# KiCad board acorn-motherboard.kicad_pcb (continued)
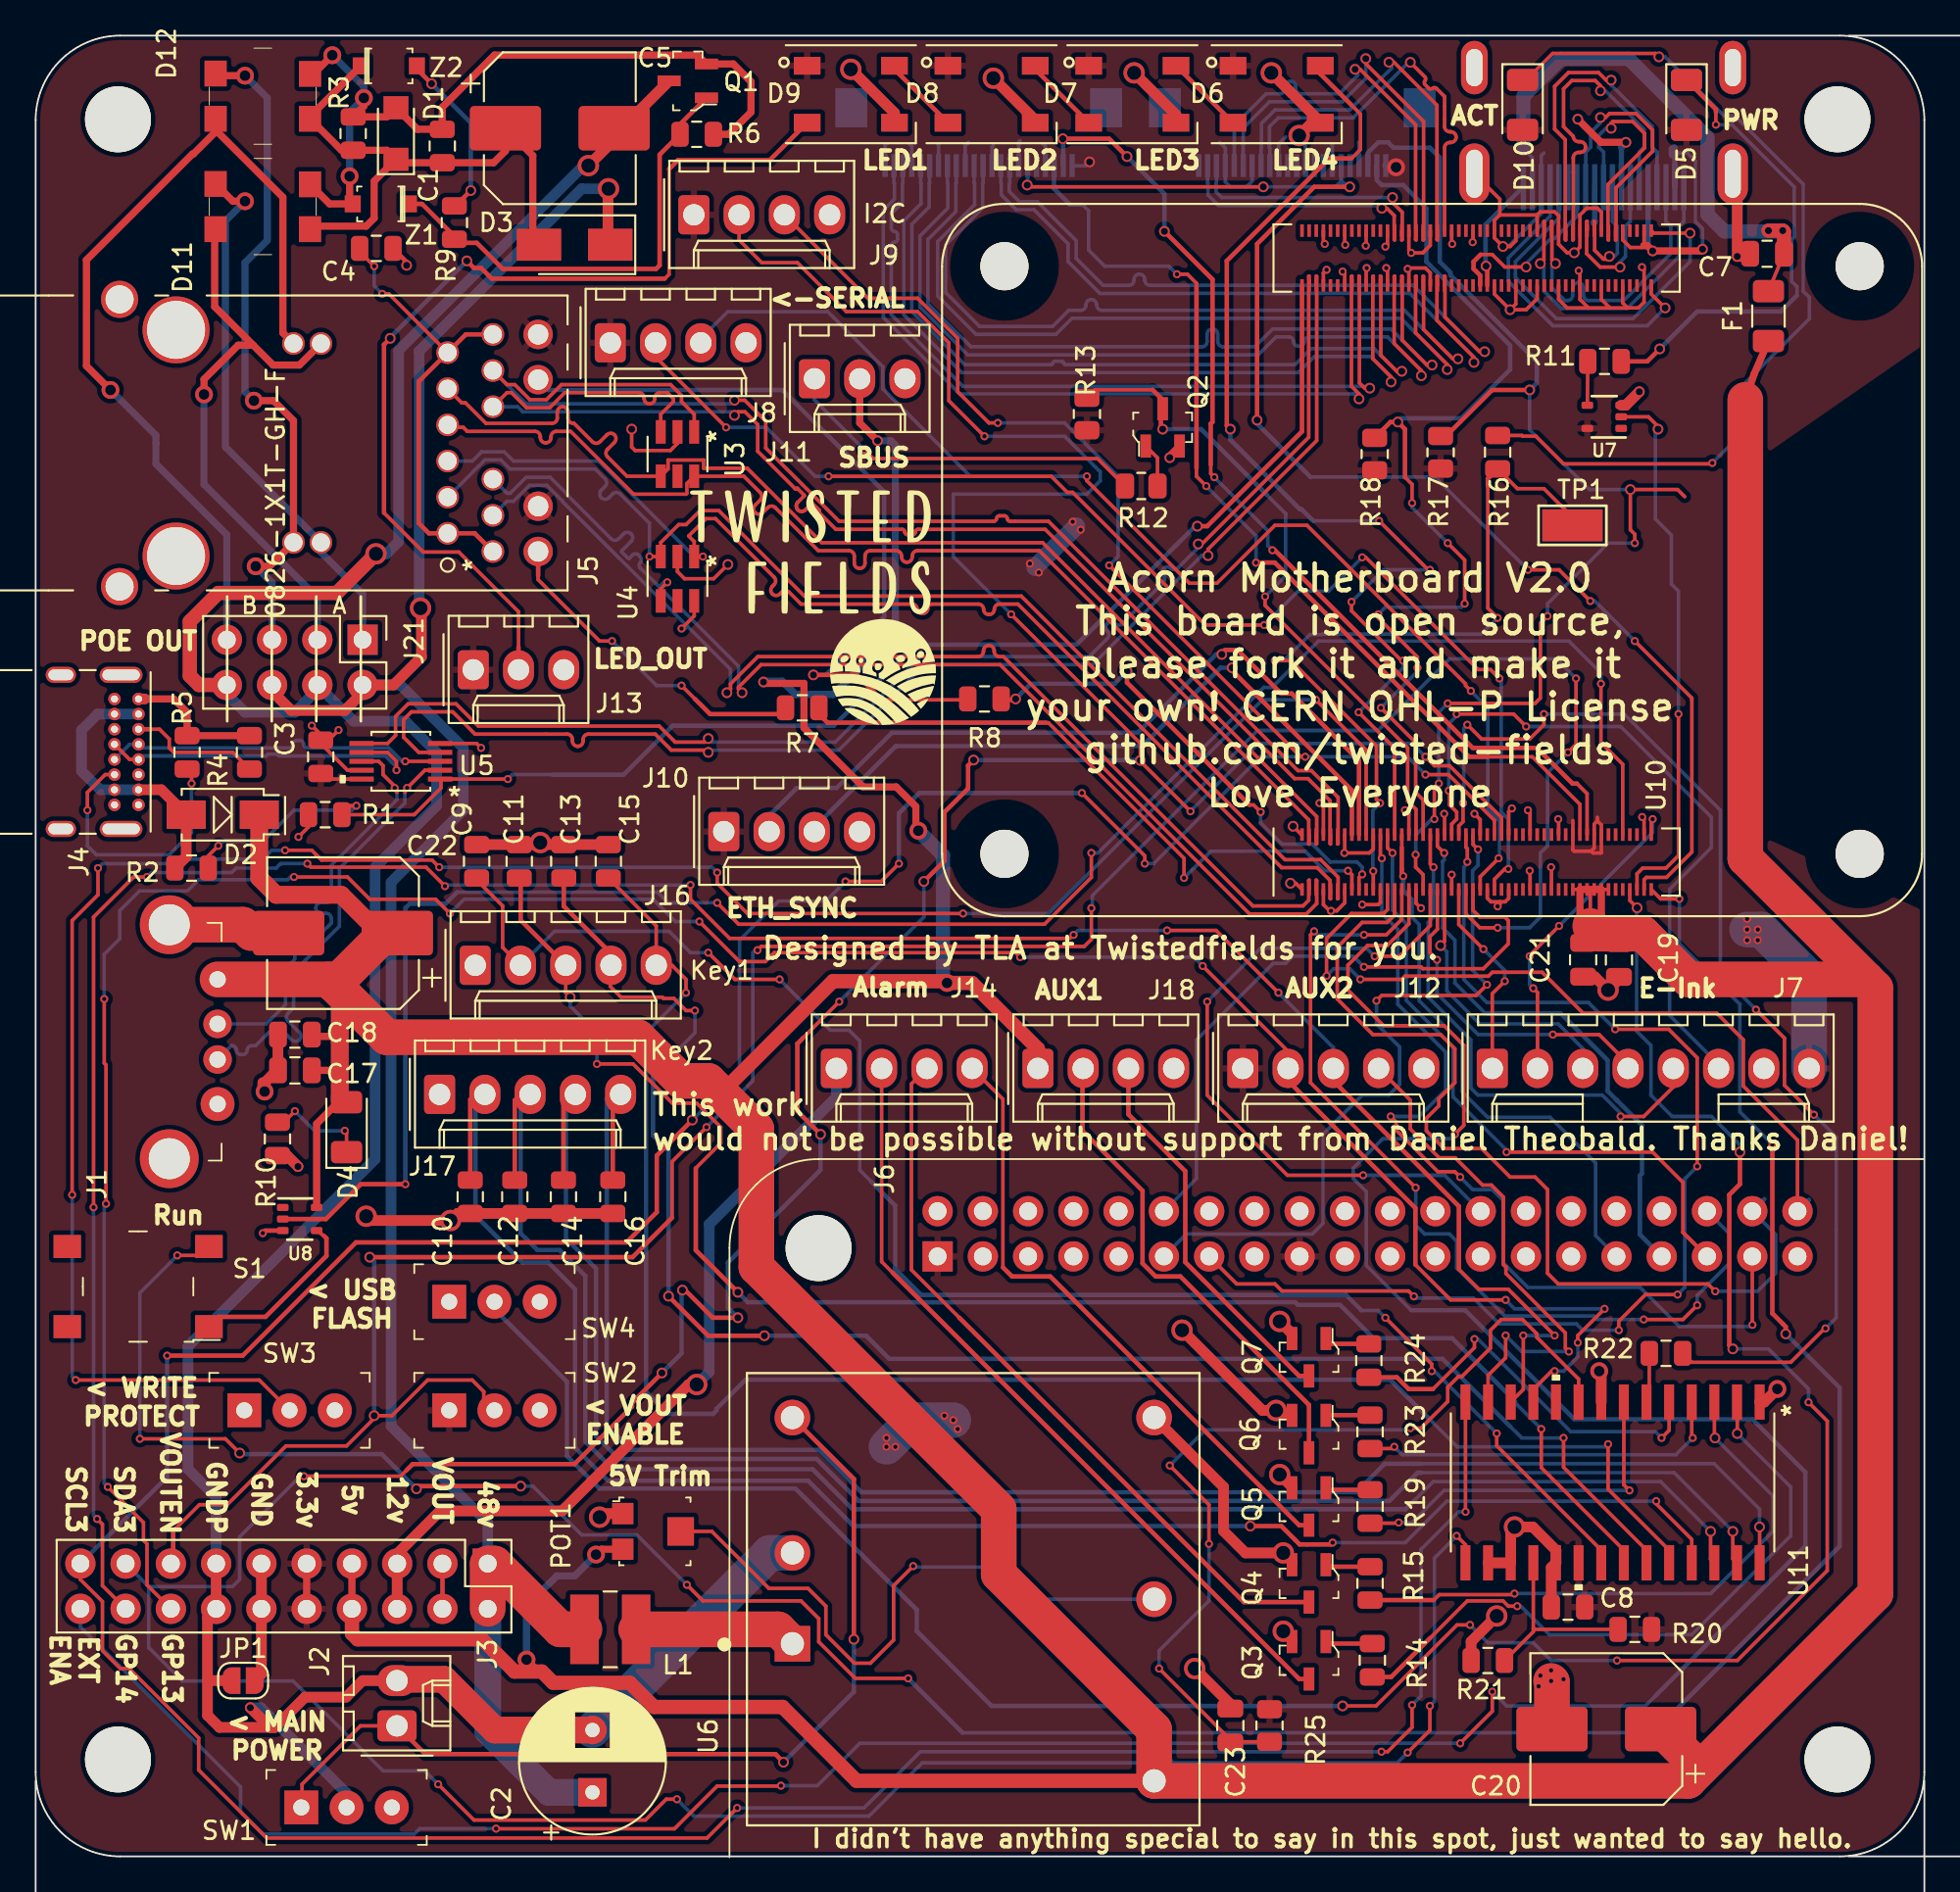
[diagram p0: board, top side]
## Routing (per net, layer and track width the routed paths; a pad name or vN(x,y) marks a point on that pad's centre or on a via; arc(x,y) is an arc through that point) (continued)
EPD_SCK: length 29.3
  Top w0.2: v2(78.45,55.55) 78.27,55.73 U10.38 ; v2(88.95,41.55) 90.25,41.55 91.91,43.21 J7.5
  Bottom w0.2: v2(88.95,41.55) 88.95,41.72 87.92,42.75 80.95,42.75 80.55,43.15 80.55,45.85 78.15,48.25 78.15,52.45 78.45,52.75 v2(78.45,55.55)
ESTOP_IN: length 30.7
  Top w0.2: U10.30 76.67,56.63
  Top w0.25: v2(76.75,55.05) 76.67,55.13 76.67,56.63
  Bottom w0.2: J6.31 87.55,34.86 87.55,38.95 85,41.5 81.5,41.5 80.05,42.95 80.05,45.65 77.65,48.05 77.65,52.33 77.25,52.73 77.25,53.75 76.95,54.05
  Bottom w0.25: v2(76.75,55.05) 76.75,54.25 76.95,54.05
ESTOP_RETURN: length 31.6
  Top w0.2: v2(79.05,56.35) 78.67,56.73 U10.40
  Bottom w0.2: 81.45,47.35 81.35,47.35 79.65,49.05 79.65,51.45 78.96,52.14 78.96,55.87 79.05,55.96 v2(79.05,56.35)
  Bottom w0.25: J6.33 90.04,34.92 90.04,38.24 90.15,38.35 90.15,41.06 88.76,42.45 88.75,42.45 88.23,42.97 88.23,44.7 85.58,47.35 81.45,47.35
ETH_LEDG: length 27.2
  Top w0.2: v2(68.75,58.65) 68.35,59.05 68.12,59.05 ; U10.17 74.27,54.97 v2(74.45,55.15)
  Top w0.25: 68.12,59.05 61.25,65.92 v1(61.25,66.55) ; 54.5,64.95 54.95,64.95 v1(55,65)
  Bottom w0.2: v2(68.75,58.65) 68.75,58.05 69.95,56.85 71.65,56.85 72.65,55.85 74.15,55.85 74.15,55.85 74.45,55.55 v2(74.45,55.15)
  Bottom w0.25: v1(55,65) 55.85,65.85 60.55,65.85 v1(61.25,66.55)
ETH_LEDY: length 36.4
  Top w0.2: v2(73.65,55.35) 73.87,55.13 U10.15 ; v2(64.45,54.95) 64.45,56.05 56.84,63.66 56.71,63.66
  Top w0.25: 43.96,64.15 44.44,63.66 56.71,63.66
  Bottom w0.2: v2(64.45,54.95) 65.95,56.45 71.25,56.45 72.35,55.35 v2(73.65,55.35)
ETH_SYNC_IN: length 39.5
  Top w0.25: U10.16 73.87,59.87 67.15,66.59 v1(67.15,66.75)
  Bottom w0.25: J10.3 43.7,57.78 48.27,62.35 62.1,62.35 66.5,66.75 v1(67.15,66.75)
ETH_SYNC_OUT: length 44.6
  Top w0.25: U10.18 74.27,61.53 70.5,65.3 69.9,65.3 67.45,67.75 66.75,67.75 66.57,67.57 v1(66.57,67.5)
  Bottom w0.25: J10.2 41.16,58.44 42.72,60 44.95,60 48.05,63.1 61.85,63.1 66.25,67.5 v1(66.57,67.5)
EXT_PSU_ENABLE: length 178
  Top w0.2: v2(25.84,1.56) 25.85,1.55 35.85,1.55 38.25,3.95 41.81,3.95 v2(41.83,3.97) ; U10.31 77.07,52.37 75.85,51.15 74.75,51.15 73.65,50.05 73.65,48.65 75.65,46.65 79.05,46.65 80.15,45.55 80.15,41.05 v2(79.65,40.55) ; v2(79.95,6.35) 81.75,8.15 v2(81.75,9.25)
  Bottom w0.2: v2(79.95,6.35) 46.25,6.35 43.87,3.97 v2(41.83,3.97) ; J3.20 2.51,12.89 11.5,3.9 11.5,2.5 12.75,1.25 21.25,1.25 21.56,1.56 v2(25.84,1.56) ; v2(79.65,40.55) 79.4,40.3 75.6,40.3 73.95,38.65 73.95,38.06 74.68,37.33 74.68,33.19 77.2,30.67 ; v2(81.75,9.25) 82.55,8.45 90.34,8.45 90.89,9
  Bottom w0.25: 77.2,30.67 80.23,30.67 86.35,24.55 96.34,24.55 99.32,21.57 99.32,17.43 90.89,9
GLOBAL_EN: length 162.5
  Top w0.2: v2(7.95,33.75) 9.22,33.75 S1.3 ; v2(92.25,53.77) 91.2,53.77 U10.99 ; v2(48.97,10) 46,10 43.95,12.05 43.95,13.35 42.95,14.35 37.45,14.35 v2(36.55,15.25) ; v1(11.45,22.65) 10.65,23.45 v2(5.85,23.45)
  Top w0.25: v1(27.22,20.79) 21.52,20.79 v1(21.37,20.64) ; v2(97.47,39.99) 97.47,30.49 98.22,29.74 v1(98.22,29.34)
  Bottom w0.2: v2(7.95,33.75) 5.85,31.65 v2(5.85,23.45) ; v2(92.25,53.77) 92.25,51.25 95.65,47.85 95.65,41.81 v2(97.47,39.99) ; v1(27.22,20.79) 27.91,20.79 30.65,18.05 33.75,18.05 v2(36.55,15.25) ; 90.77,6.94 52.02,6.94
  Bottom w0.25: 90.77,6.94 101.25,17.42 101.25,26.31 v1(98.22,29.34) ; 52.02,6.94 v2(48.97,10) ; v1(21.37,20.64) 19.42,22.59 11.47,22.59 11.47,22.63 v1(11.45,22.65)
GP0: length 89.5
  Top w0.2: v2(37.75,50.75) 39.25,49.25 v2(41.75,49.25) ; v2(75.75,30.25) 78.35,27.65 v2(78.35,27.25) ; U11.21 87.87,17.2 82,23.06 v2(82,23.75) ; J16.2 26.21,51.04 26.21,53.38 24.64,54.94
  Bottom w0.2: v2(37.75,50.75) 36.75,50.75 35.55,51.95 29.12,51.95 J16.2 ; v2(41.75,49.25) 44.6,46.4 45.65,46.4 46.25,45.8 46.25,38.54 46.9,37.89 ; v2(75.75,30.25) 75.34,30.66 74.41,30.66 ; v2(82,23.75) 78.5,27.25 v2(78.35,27.25)
  Bottom w0.25: 74.41,30.66 73.54,31.53 49.7,31.53 48.24,32.99 48.24,36.55 46.9,37.89
GP1: length 89.3
  Top w0.2: 37.05,38.65 38.45,40.05 38.45,40.95 37.1,42.3 35.73,42.3 33.53,44.5 v2(31.5,44.5) ; v1(30,48.25) 29.75,48.5 J16.3 ; U11.22 89.13,17.2 84.5,21.83 v2(84.5,24)
  Top w0.25: C11.2 27.22,54.86 27.22,52.57 J16.3 ; 37.05,38.65 37.05,34.04 v1(39.41,31.68)
  Bottom w0.2: v2(84.5,24) 83.05,25.45 83.05,25.55 82.95,25.65 ; v1(30,48.25) 30,47.75 31.5,46.25 v2(31.5,44.5)
  Bottom w0.25: 82.95,25.65 79.5,29.1 75.08,29.1 73.21,30.97 70.84,30.97 70.69,31.12 39.97,31.12 v1(39.41,31.68)
GP2: length 92.3
  Top w0.2: U11.23 90.41,17.2 85.75,21.85 v2(85.75,23.5) ; 32.25,50.04 32.25,48.85 32.85,48.25 35.17,48.25 35.24,48.18 35.82,48.18 36.5,47.5 v2(37,47.5)
  Top w0.25: C13.2 29.64,53.36 32.25,50.75 32.25,50.04 ; v1(40.9,29.24) 37.74,29.24 v1(35.52,31.46)
  Bottom w0.2: 35,44.25 37,46.25 v2(37,47.5) ; v2(85.75,23.5) 83.4,23.5 82.75,24.15
  Bottom w0.25: 35,44.25 34.65,43.9 34.65,40.49 35.52,39.62 v1(35.52,31.46) ; 82.75,24.15 78.96,27.94 47.91,27.94 46.61,29.24 v1(40.9,29.24)
GP3: length 97.3
  Top w0.2: v2(36.5,48.5) 36.5,49.25 35.71,50.04 J16.5 34.83,52.26 C15.2 ; v2(88.25,23.15) 88.25,20.62 91.68,17.2 U11.24
  Bottom w0.2: v2(36.5,48.5) 34.55,46.55 34.55,44.85 34.5,44.8 ; v2(88.25,23.15) 88.1,23 79.78,23 78.01,24.77
  Bottom w0.25: 78.14,24.64 76.01,26.77 39.85,26.77 38.21,25.13 38.21,25.04 38.02,24.85 35.5,24.85 34.26,26.09 34.26,44.56 34.5,44.8
GP4: length 96.2
  Top w0.2: U11.25 92.94,17.81 90.95,19.8 v2(90.95,19.95)
  Top w0.25: v2(72.79,17.62) 72.69,17.52 70.94,17.52 69.91,18.55 v1(68.17,18.55) ; 24.68,42.79 24.39,42.5 C10.2
  Bottom w0.2: v2(90.95,19.95) 79.2,19.95 76.87,17.62 v2(72.79,17.62)
  Bottom w0.25: v1(68.17,18.55) 45.9,18.55 43.35,21.1 32.12,21.1 30.27,22.95 30.27,31.85 28.77,33.35 27.32,33.35 24.68,35.99 24.68,42.79
GP5: length 95.1
  Top w0.2: v1(94,18.25) 94,16.7 U11.26
  Top w0.25: 27.22,42.79 26.89,42.46 C12.2
  Bottom w0.2: 77.41,20.02 78.44,21.05 91.2,21.05 v1(94,18.25)
  Bottom w0.25: 27.22,42.79 27.22,34.99 28.16,34.05 29.4,34.05 30.85,32.6 30.85,23.29 32.4,21.74 43.61,21.74 45.86,19.49 76.88,19.49 77.41,20.02
GP6: length 94
  Top w0.2: v1(95.25,18.25) 95.25,16.72 U11.27
  Top w0.25: 29.76,42.79 29.62,42.65 C14.2
  Bottom w0.2: v1(95.25,18.25) 91.95,21.55 77.75,21.55
  Bottom w0.25: 29.76,42.79 29.76,34.7 31.45,33.01 31.45,23.61 32.74,22.32 43.83,22.32 46.19,19.96 75.97,19.96 77.56,21.55 77.75,21.55
GP7: length 94.6
  Top w0.2: U11.28 96.75,18.5 v1(96.75,18.5)
  Top w0.25: 32.3,42.79 32.39,42.7 C16.2
  Bottom w0.2: 77.75,22.05 94.2,22.05 96.75,19.5 v1(96.75,18.5)
  Bottom w0.25: 32.3,42.79 32.05,42.54 32.05,24.17 33.39,22.83 43.97,22.83 46.35,20.45 74.11,20.45 75.71,22.05 77.75,22.05
GP8: length 37.1
  Top w0.2: v1(95.5,23.75) 95.5,25.5 U11.2 ; 78.25,12.25 80.35,14.35 82.35,14.35 82.65,14.05 v2(83.15,14.05)
  Top w0.25: R14.1 76.08,10.08 78.25,12.25
  Bottom w0.2: v1(95.5,23.75) 98.5,20.75 98.5,18 92.95,12.45 84.95,12.45 83.35,14.05 v2(83.15,14.05)
GP9: length 32.8
  Top w0.2: 78.47,14.39 78.77,14.7 82.93,14.7 v2(83,14.76) ; v1(94.25,23.5) 94.22,23.53 U11.3
  Top w0.25: R15.1 78.47,14.39
  Bottom w0.2: v2(83,14.76) 94.01,14.76 97.5,18.25 97.5,20.25 v1(94.25,23.5)
GP10: length 20.5
  Top w0.2: v2(89.45,20.55) 89.13,20.86 U11.7 ; R19.1 76.46,18.71 v2(76.5,18.75)
  Top w0.25: 74.97,18.63 R19.1
  Bottom w0.2: v2(76.5,18.75) 77.25,18.75 79.05,20.55 v2(89.45,20.55)
GP11: length 20.8
  Top w0.2: v2(93,23.5) 92.94,23.56 U11.4 ; v2(76.25,23) 76.15,22.9 R23.1
  Bottom w0.2: v2(76.25,23) 76.69,22.56 92.06,22.56 v2(93,23.5)
GP12: length 22.6
  Top w0.2: v2(91.25,23.5) 91.68,23.92 U11.5 ; v2(80.75,29.05) 80.75,28.57 78.42,26.24
  Top w0.25: R24.1 76.4,26.9 77.06,26.24 78.42,26.24
  Bottom w0.2: v2(91.25,23.5) 90.9,23.85 86.15,23.85 80.95,29.05 v2(80.75,29.05)
GP13: length 146.5
  Top w0.2: J12.2 70.29,45.21 v2(65.5,50) ; v2(14.5,55) 17.5,55 18.75,53.75 22.45,53.75 v2(23.25,52.95) ; v2(86.55,28.85) 86.55,29.25 v2(88.05,30.75) ; U11.11 84.06,26.23 85.08,27.25 v2(85.25,27.25) ; v2(3.85,48.15) 3.85,44.55 3.95,44.45 v2(3.95,36.65) ; v2(4.05,20.75) 6.05,18.75 6.05,17.75 6.25,17.55 6.25,15.24 J3.16 ; v2(55.25,50.5) 55,50.75 41.45,50.75 40.95,50.25 39.5,50.25 v2(37.25,52.5) ; 77.44,33.23 79.41,31.25 v2(82.5,31.25)
  Top w0.25: J12.2 70.29,43.55 77.44,36.41 77.44,33.23
  Bottom w0.2: v2(82.5,31.25) 83,30.75 v2(88.05,30.75) ; v2(3.85,48.15) 3.85,50.66 4.72,51.53 4.72,53.11 5.83,54.22 8.52,54.22 9.15,54.85 14.15,54.85 14.3,55 v2(14.5,55) ; v2(55.25,50.5) 65,50.5 v2(65.5,50) ; v2(23.25,52.95) 24.05,53.75 34.65,53.75 35.9,52.5 v2(37.25,52.5) ; v2(3.95,36.65) 3.85,36.55 3.85,20.95 v2(4.05,20.75) ; v2(85.25,27.25) 85.75,27.25 86.55,28.05 v2(86.55,28.85)
GP14: length 143.4
  Top w0.2: v2(3.25,36.45) 3.25,52.75 5.5,55 v2(6.25,55) ; v2(83.49,29.25) 83.49,26.22 U11.12 ; 58.05,51.55 38.95,51.55 36.75,53.75 v2(36.75,54.55) ; v2(15.25,55.75) 15.45,55.55 21.91,55.55 v2(22.97,54.49) ; J3.18 3.75,15.2 3.75,18.65 v2(3.45,18.95) ; v2(63.5,52) 66.25,52 v2(69.75,48.5) ; v2(85.25,29.25) 82.65,31.85 81,31.85 79.88,32.97
  Top w0.25: 79.88,32.97 79.88,36.51 72.83,43.55 J12.3
  Bottom w0.2: v2(69.75,48.5) 72.83,45.42 J12.3 ; v2(15.25,55.75) 13.75,55.75 13.5,55.5 11.25,55.5 11,55.25 6.5,55.25 v2(6.25,55) ; v2(85.25,29.25) v2(83.49,29.25) ; v2(63.5,52) 58.5,52 v2(58.25,51.75) ; v2(22.97,54.49) 23.04,54.55 v2(36.75,54.55) ; v2(3.45,18.95) 3.25,19.15 v2(3.25,36.45)
GP15: length 29.9
  Top w0.2: U11.13 81.51,27.02 82.5,28 v2(82.5,29.25) ; 75.37,43.53 J12.4 77.15,42.47 77.15,40.85 78.77,39.23 79.67,39.23 81.2,37.7 81.7,37.7 82.38,37.03 82.38,33.24 82.52,33.1 82.52,32.73 85.85,29.4 85.85,28.55 v2(86.05,28.35)
  Bottom w0.2: v2(82.5,29.25) 83.4,28.35 v2(86.05,28.35)
GPIO_INT: length 65.1
  Top w0.2: v2(80.11,59.15) 80.11,58.11 79.87,57.87 U10.46 ; R22.1 92.94,27.75 98.5,27.75 100.4,29.65 v2(100.45,29.65) ; v2(99.8,41.65) 98.15,43.3 98.15,45.95 v2(96.55,47.55) ; v2(84.65,64.15) 84.65,63.55 83.85,62.75 81.15,62.75 v2(80.35,63.55)
  Bottom w0.2: v2(80.11,59.15) 80.15,59.19 80.15,63.35 v2(80.35,63.55) ; v2(84.65,64.15) 89.15,64.15 94.55,58.75 94.55,49.55 v2(96.55,47.55) ; v2(99.8,41.65) 101.05,40.4 101.05,30.25 v2(100.45,29.65)
IRQ1: length 51
  Top w0.2: U10.24 75.47,56.13 v2(75.55,56.05) ; v2(96.35,29.85) 96.34,29.86 J6.37 ; v2(76.05,41.55) 76.35,41.25 76.35,40.8 78.7,38.45 79.65,38.45 v2(79.95,38.15)
  Bottom w0.2: 78.1,42 77.65,41.55 v2(76.05,41.55) ; 78.1,42 79.13,43.03 79.13,45.17 76.45,47.85 76.45,52.05 75.55,52.95 v2(75.55,56.05) ; 78.1,42 78.05,41.95 ; v2(79.95,38.15) 80.65,37.45 81.75,37.45 82.35,36.85 82.35,33.35 83.75,31.95 90.05,31.95 92.25,29.75 96.25,29.75 v2(96.35,29.85)
IRQ2: length 66
  Top w0.2: v2(88.65,46.45) 91.65,46.45 93.25,44.85 v2(93.25,38.75) ; v2(80.35,55.85) 80.35,56.59 80.27,56.67 U10.48 ; J6.13 67.4,32.15 69.55,32.15 69.95,31.75 77.05,31.75 v2(77.35,31.45) ; v2(88.85,29.55) 88.85,30.05 90.35,31.55 v2(92.15,31.55)
  Bottom w0.2: v2(92.15,31.55) 92.55,31.95 92.55,38.05 v2(93.25,38.75) ; v2(88.85,29.55) 86.83,29.55 86.47,29.91 82.14,29.91 80.7,31.35 77.45,31.35 v2(77.35,31.45) ; v2(88.65,46.45) 87.15,47.95 81.45,47.95 80.15,49.25 80.15,55.55 80.35,55.75 v2(80.35,55.85)
IRQ3: length 40
  Top w0.2: v2(65.75,48) 65.75,42.75 70.25,38.25 v2(74.5,38.25) ; U10.37 78.27,52.27 76.55,50.55 v2(75.15,50.55)
  Bottom w0.2: v2(74.5,38.25) 79.08,38.25 J6.26 ; v2(75.15,50.55) 74.7,51 68.75,51 v2(65.75,48)
MISO: length 37.8
  Top w0.2: v2(82.55,39.55) 90.75,39.55 92.45,37.85 92.45,35.04 J6.35 92.44,35.05 ; v2(76.15,56.35) 75.87,56.63 U10.26
  Bottom w0.2: v2(82.55,39.55) 82.55,39.65 79.55,42.65 79.55,45.45 76.93,48.07 76.93,52.37 76.15,53.15 v2(76.15,56.35)
MOSI: length 52.8
  Top w0.2: v2(94.26,31.74) 93.85,32.15 85.45,32.15 84.85,32.75 84.85,37.45 84.15,38.15 82.75,38.15 81.15,39.75 79.05,39.75 78.05,40.75 78.05,41.45 78.75,42.15 78.75,42.55 79.65,43.45 79.65,45.35 78.85,46.15 75.05,46.15 73.05,48.15 73.05,51.05 74.45,52.45 75.85,52.45 76.27,52.87 U10.27
  Bottom w0.2: v2(94.26,31.74) 96.64,31.74 97.65,32.75 97.65,34.92 J6.38
  Bottom w0.25: 97.02,36.91 J6.38
nPWR_LED: length 30.6
  Top w0.2: U7.2 90.51,80.84 91.05,80.31 v1(91.05,80.15) ; U10.95 89.87,55.18 90.19,55.5 91.5,55.5 92.2,56.2 v2(92.2,64.15)
  Bottom w0.2: v2(92.2,64.15) 92.2,71.05 91.8,71.45 91.8,74.21 90.9,75.11 90.9,80 v1(91.05,80.15)
nRPI_BOOT: length 138.2
  Top w0.2: v2(80.5,13) 79.78,13 75.22,8.45 v1(73.35,8.45) ; U10.93 89.47,53.68 v1(89.88,53.27) ; v2(99.5,25.5) 100.55,24.45 100.55,16.05 95.5,11 v2(88.75,11)
  Top w0.25: v1(95.25,28.5) 95.05,28.7 95.05,37.15 95.65,37.75 v1(95.65,39.55)
  Bottom w0.2: v2(99.5,25.5) 99.5,26.25 97.25,28.5 v1(95.25,28.5) ; v2(80.5,13) 81.5,12 84.05,12 85.05,11 v2(88.75,11) ; v1(95.65,39.55) 95.65,39.95 94.05,41.55 91.85,41.55 90.65,42.75 90.65,45.55 89.85,46.35 89.85,53.24 v1(89.88,53.27)
  Bottom w0.25: 25.87,31.15 25.87,30.6 29.82,26.65 29.82,22.48 31.64,20.66 42.64,20.66 49.45,13.85 49.45,12.65 53.65,8.45 v1(73.35,8.45)
RC_SBUS: length 20.9
  Top w0.2: R12.1 59.6,78.5 47,78.5 v2(46.5,79)
  Top w0.25: R12.1 60.9,76.96
  Bottom w0.2: v2(46.5,79) 43.71,81.79 J11.1
RUN_PG: length 109.1
  Top w0.2: U10.92 89.07,61.33 87.85,62.55 v2(87.85,65.85) ; v2(38.25,53.55) 39.45,52.35 56.62,52.35 59.25,54.98 v2(59.25,56.35)
  Top w0.25: v2(20.75,37.75) 18.25,37.75 16.29,35.79 U8.2
  Bottom w0.2: 23.65,54.15 34.9,54.15 35.5,53.55 v2(38.25,53.55) ; v2(59.25,56.35) 59.62,56.35 68.92,65.65 69.4,65.65 72,68.25 86.05,68.25 87.85,66.45 v2(87.85,65.85)
  Bottom w0.25: v2(20.75,37.75) 20.75,53.25 21,53.5 23,53.5 23.65,54.15
RX: length 68.8
  Top w0.2: v2(82.11,56.05) 81.07,55.02 U10.51 ; v2(59,77.5) 59,77.25 64.75,71.5 66.3,71.5 69.55,74.75 71.35,74.75 80.25,65.85 80.25,65.75 v2(80.55,65.45)
  Bottom w0.2: v2(80.55,65.45) 81.5,64.5 81.5,58.8 82.15,58.15 82.15,56.09 v2(82.11,56.05) ; J8.3 37.33,85.23 38.85,86.75 44.45,86.75 47.55,83.65 47.55,82.41 52.46,77.5 v2(59,77.5)
SBUS_RX: length 37.3
  Top w0.2: R13.1 59.45,82.36 62.69,82.36 ; v2(69,70.75) 69,70.25 77,62.25 77,59.27 77.47,58.8 U10.34
  Top w0.25: v1(63.25,80.15) 63.15,80.25 63.15,81.9 62.69,82.36
  Bottom w0.2: 70.15,75.3 70.15,75.41 ; 70.15,75.41 70.15,71.9 v2(69,70.75) ; 70.15,75.41 69.1,76.46
  Bottom w0.25: v1(63.25,80.15) 65.41,80.15 69.1,76.46
SCL3: length 269.7
  Top w0.2: v2(48.45,55.75) 47.45,54.75 v2(45.45,54.75) ; J9.3 46.71,87.5 49.5,87.5 51.75,85.25 51.75,82.25 53.5,80.5 v2(54,80.5) ; v2(60.25,72.5) 71,61.75 v2(71.25,61.75) ; J3.19 2.51,15.55 3.75,14.31 3.75,11.55 4.75,10.55 5.25,10.55 9.15,6.65 9.15,4.85 12.97,1.03 37.68,1.03 v2(39.37,2.72) ; v2(80.25,19.35) 80.25,19.36 U11.14 ; v2(75.53,5.88) 75.88,5.88 77.25,7.25 v2(77.25,8.5) ; v2(58.72,59.72) 62.25,56.19 v2(62.25,55.75) ; U10.56 81.87,58.18 79.3,60.75 v2(78,60.75)
  Top w0.25: v1(36.85,41.35) 34.86,39.36 34.86,36.18 33.16,34.48 17.98,34.48 11.62,28.12 v2(7.38,28.12)
  Bottom w0.2: v2(39.37,2.72) 46.49,2.72 49.65,5.88 v2(75.53,5.88) ; v2(60.25,72.5) 60.75,73 60.75,77.5 57.75,80.5 v2(54,80.5) ; v2(77.25,8.5) 77.75,9 77.75,17.25 79.85,19.35 v2(80.25,19.35) ; v2(45.45,54.75) 44.35,53.65 41.7,53.65 39.5,51.45 39.5,44 v1(36.85,41.35) ; v2(62.25,55.75) 62.75,55.75 68.75,61.75 77,61.75 v2(78,60.75)
  Bottom w0.25: v2(48.45,55.75) 48.45,58.58 49.59,59.72 v2(58.72,59.72) ; v2(7.38,28.12) 7.38,21.31 J3.19
SCLK: length 44.7
  Top w0.2: U10.25 75.87,53.17 75.65,52.95 73.85,52.95 72.45,51.55 v2(72.45,49.45) ; J6.40 98.88,40.22 95.84,43.26 95.84,45.86 94.35,47.35 86.85,47.35 84.55,49.65 81.75,49.65 81.53,49.43 76.85,49.43 76.67,49.25 v2(74.35,49.25)
  Bottom w0.2: v2(72.45,49.45) 72.85,49.85 73.75,49.85 v2(74.35,49.25)
  Bottom w0.25: 99.52,36.87 J6.40
SDA3: length 273
  Top w0.2: v2(53.25,79.75) 51.25,81.75 51.25,85 49.5,86.75 45.5,86.75 42.75,89.5 40.75,89.5 39.48,90.77 J9.2 ; v2(15.05,21.35) 20.48,21.35 20.82,21.69 ; v2(22.59,4.05) 24.6,2.04 34.22,2.04 35.39,3.21 v2(35.99,3.21) ; U11.15 80.25,17.5 v2(79.75,18) ; U10.58 82.27,58.33 79.35,61.25 78.5,61.25 v2(78,61.75) ; 43.05,45.94 43.05,45.95 v2(45.1,48) ; v2(64.81,58.69) 62,61.5 v1(62,61.55) 62,62.5 v2(54.75,69.75) ; v2(78.25,8.45) 78.25,7.08 v2(77,5.83)
  Top w0.25: J3.17 5.5,16.44 ; v1(35.15,27.15) 33.47,25.47 33.47,25.26 30.24,22.03 21.16,22.03 20.82,21.69 ; v1(44.05,40.55) 42.75,41.85 42.75,45.64 43.05,45.94 ; v1(52.64,61.57) 52.33,61.26 52.33,59.97 51,58.64 51,55.9 v1(49.85,54.75) ; v1(36.3,31.8) 36.45,31.8 38,30.25 v1(39.41,30.25)
  Bottom w0.2: 6.34,15.15 11.05,15.15 11.45,15.55 11.45,17.95 14.85,21.35 v2(15.05,21.35) ; 6.34,15.15 6.34,11.73 8.22,9.85 14.45,9.85 19.5,4.8 21.84,4.8 v2(22.59,4.05) ; 6.34,15.15 J3.17 ; v2(45.1,48) 49.85,52.75 v1(49.85,54.75) ; v2(79.75,18) 78.5,16.75 78.5,8.7 v2(78.25,8.45) ; v2(54.75,69.75) 51.5,73 51.5,76.5 59,76.5 59.75,77.25 59.75,77.75 57.75,79.75 v2(53.25,79.75) ; v2(64.81,58.69) 68.62,62.5 77.25,62.5 v2(78,61.75) ; v2(77,5.83) 76.42,5.25 63.84,5.25 63.57,5.52 62.12,5.52 61.85,5.25 49.75,5.25 46.76,2.26 36.94,2.26 v2(35.99,3.21)
  Bottom w0.25: v1(39.41,30.25) 38.85,30.81 38.85,33.35 44.05,38.55 v1(44.05,40.55) ; v1(35.15,27.15) 36.25,28.25 36.25,31.75 v1(36.3,31.8) ; v1(52.64,61.57) 61.98,61.57 v1(62,61.55)
TRD0_N: length 76.6
  Top w0.2: v1(39.22,80.92) 39.42,81.12 39.81,81.12 40.53,80.41 40.53,78.91 42.62,76.81 42.63,76.8 42.66,76.79 42.68,76.8 42.7,76.82 42.73,76.83 42.76,76.82 42.76,76.81 43.12,76.46 43.13,76.45 43.14,76.42 43.13,76.39 43.12,76.39 42.78,76.04 42.74,76.01 42.7,75.93 42.69,75.83 42.7,75.74 42.74,75.66 42.78,75.62 42.81,75.59 42.9,75.55 42.99,75.53 43.08,75.55 43.17,75.59 43.2,75.62 43.54,75.96 43.55,75.97 43.58,75.98 43.6,75.97 43.61,75.96 43.97,75.61 43.98,75.6 43.98,75.57 43.98,75.55 43.96,75.53 43.95,75.5 43.96,75.47 43.97,75.47 44.91,74.53 48.63,74.53 arc(48.73,74.48) 48.78,74.38 arc(48.82,74.27) 48.93,74.23 49.23,74.23 arc(49.33,74.27) 49.38,74.38 arc(49.42,74.48) 49.53,74.53 56.66,74.53 70.66,60.53 71.41,60.53 72.65,59.29 72.65,56.88 72.67,56.85 U10.10 ; J5.10 26.45,82.2 26.7,82.2 27.55,81.35 28.85,81.35 29.7,82.2 33.85,82.2 arc(34.06,82.11) 34.15,81.9 34.15,81.87 arc(34.24,81.66) 34.45,81.57 arc(34.66,81.66) 34.75,81.87 34.75,81.9 arc(34.84,82.11) 35.05,82.2 35.45,82.2 35.8,81.86 35.8,81.7 35.08,80.99 U3.3 35.08,80.38
  Bottom w0.2: v1(39.22,80.92) 39.02,81.12 27.34,81.12 27.05,81.41 J5.10
TRD0_P: length 76.5
  Top w0.2: J5.11 26.45,82.65 26.89,82.65 27.74,81.8 28.67,81.8 29.51,82.65 35.64,82.65 36.25,82.04 36.25,81.7 36.96,80.99 U3.1 36.96,80.38 ; U10.12 73.07,56.85 73.1,56.88 73.1,59.47 71.59,60.97 70.84,60.97 56.84,74.97 54.68,74.97 arc(54.57,75.02) 54.53,75.13 arc(54.48,75.24) 54.38,75.28 54.08,75.28 arc(53.97,75.24) 53.93,75.13 arc(53.88,75.02) 53.78,74.97 45.09,74.97 40.97,79.09 40.97,80.59 39.79,81.78 v1(39.22,81.78)
  Bottom w0.2: J5.11 27.53,81.58 39.02,81.58 v1(39.22,81.78)
TRD1_N: length 65.2
  Top w0.2: U10.6 71.87,56.85 71.9,56.88 71.9,58.39 56.51,73.78 44.11,73.78 39.93,77.96 37.49,77.96 37.49,78.42 35.49,78.42 35.49,77.92 U3.4 33.18,77.51 32.09,78.59 arc(32.01,78.81) 32.09,79.02 32.48,79.41 arc(32.57,79.62) 32.48,79.83 arc(32.27,79.92) 32.06,79.83 31.67,79.44 arc(31.46,79.36) 31.25,79.44 30.21,80.48 30.18,80.48 arc(29.96,80.56) 29.88,80.78 29.88,81.11 arc(29.79,81.32) 29.58,81.41 arc(29.36,81.32) 29.28,81.11 29.28,80.78 arc(29.19,80.56) 28.98,80.48 25.27,80.48 24.12,81.63 23.91,81.63 J5.5